# Altium PCB Copy of MotionW.PcbDoc (continued)
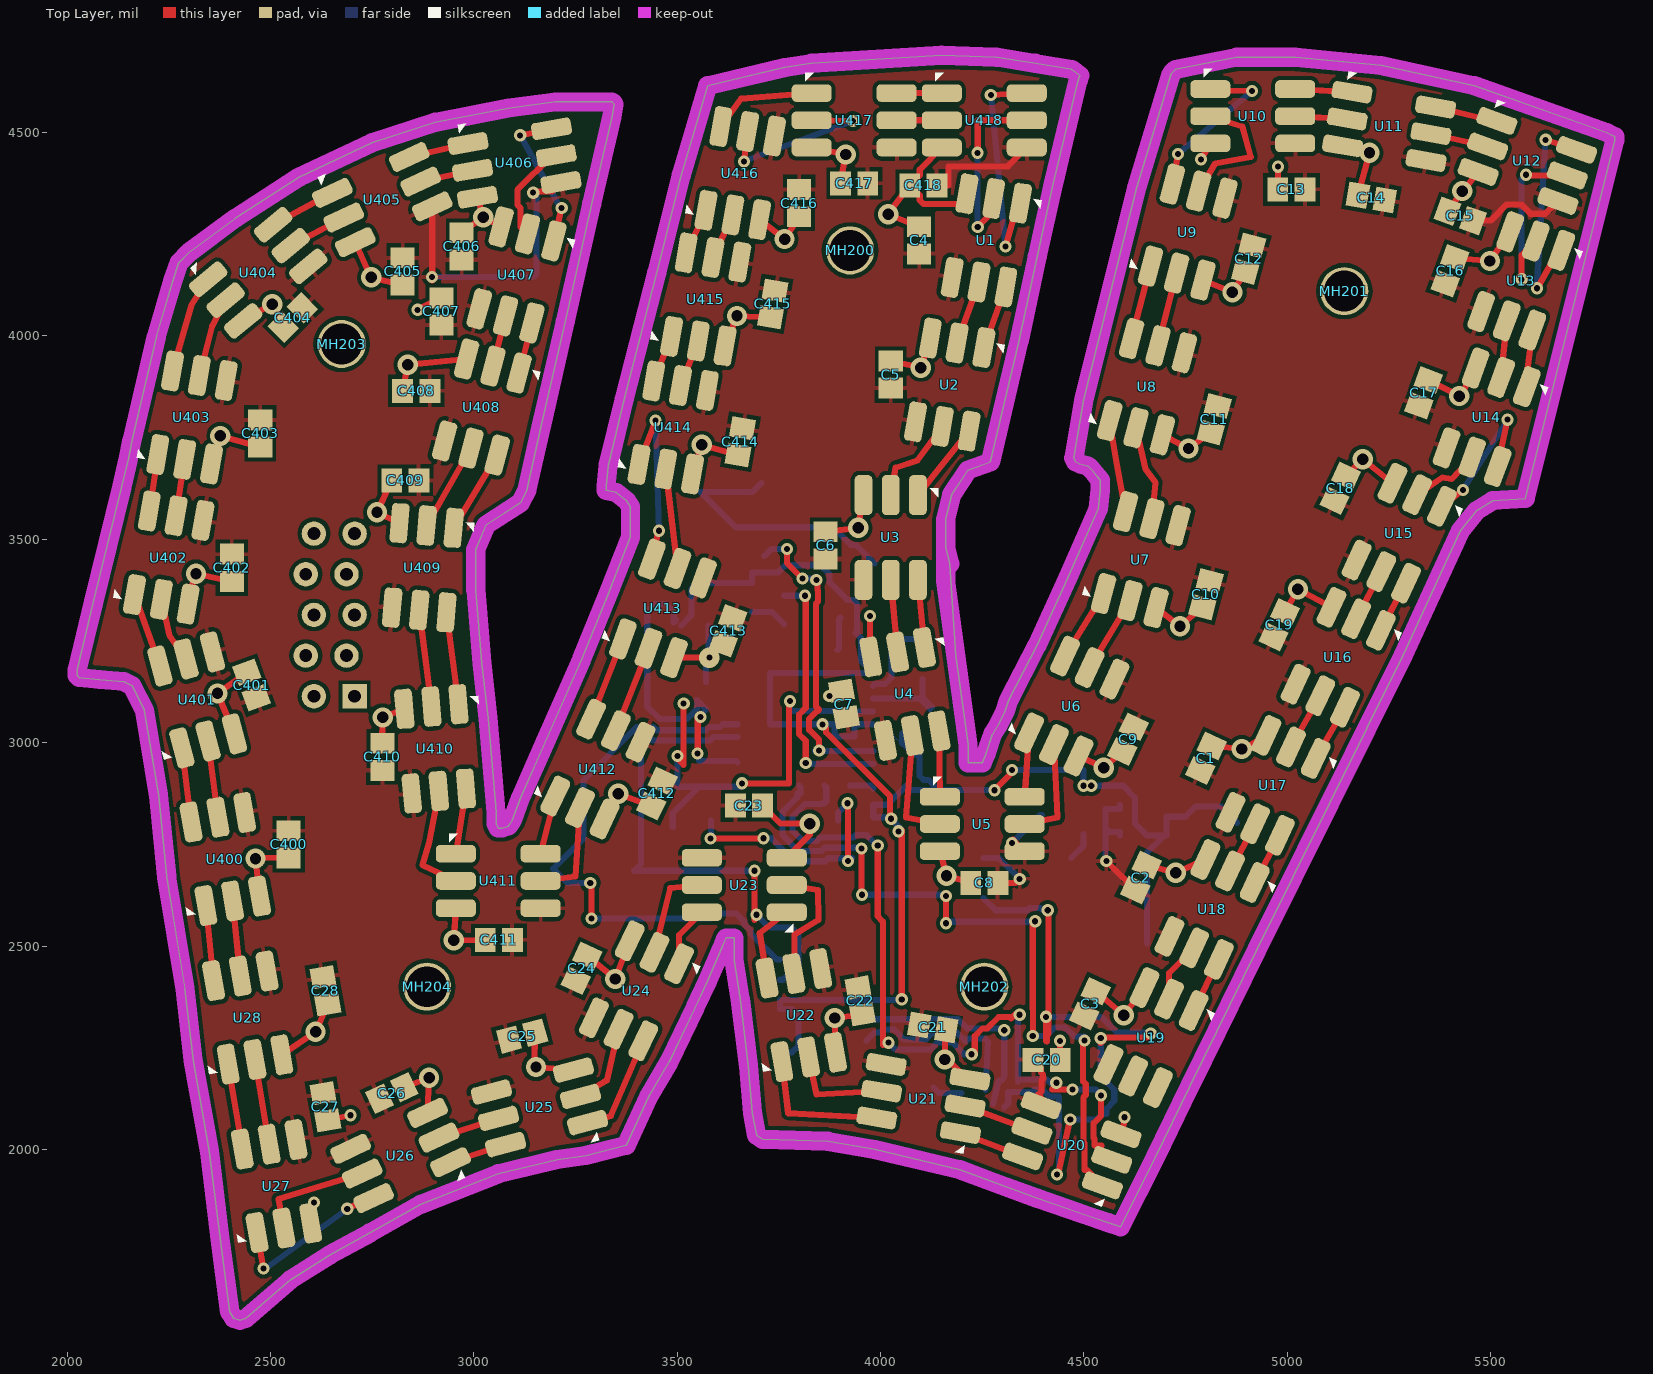
[diagram p0: Top Layer view]
## Part data (continued)
R700: "RES SMD 1K OHM 1% 1/8W 0805", Manufacturer="Panasonic Electronic Components", Manufacturer Part Number=ERJ-6ENF1001V, Operating Temperature="-55°C ~ 155°C", Package / Case="0805 (2012 Metric)", Power (Watts)="0.125W, 1/8W", Resistance (Ohms)=1k, Supplier Device Package=0805, Supplier Part Number=P1.00KCCT-ND, Temperature Coefficient=±100ppm/°C, Tolerance=±1%, Category=Resistors, Composition="Thick Film", Failure Rate=-, Features="Automotive AEC-Q200", Height - Seated (Max)="0.028\" (0.70mm)", Number of Terminations=2, Packaging="Cut Tape (CT)", Part Status=Active, RoHS="RoHS Compliant", Size / Dimension="0.079\" L x 0.049\" W (2.00mm x 1.25mm)", Supplier=Digi-Key
S800: "Switch", Actuator Color=Black, Contact Rating @ Voltage="0.3@6VDC A", Dielectric Strength="500 VAC", Manufacturer="ITT /  C&K Components", Manufacturer Part Number=JS202011SCQN, Maximum AC Voltage Rating=N/A, Maximum Contact Resistance="70 mOhm", Maximum DC Voltage Rating="6 V", Minimum Insulation Resistance="100 MOhm", Operating Temperature="-40 to 85 C", Supplier Part Number 1=401-2002-1-ND, Actuator Material="Nylon 4/6", Actuator Style="Top Slide", Base Material=N/A, Body Orientation=Straight, Code_IPC=SOT26A-6, Code_JEITA=SC-74, ComponentLink1Description=https://datasheet.ciiva.com/23829/1707718-23829488.pdf, ComponentLink1URL=https://datasheet.ciiva.com/23829/1707718-23829488.pdf, ComponentLink2Description=https://datasheet.ciiva.com/2889/js-29aug13-2889127.pdf, ComponentLink2URL=https://datasheet.ciiva.com/2889/js-29aug13-2889127.pdf, ComponentLink3Description=https://datasheet.ciiva.com/2889/js-15sept15-2889128.pdf, ComponentLink3URL=https://datasheet.ciiva.com/2889/js-15sept15-2889128.pdf, ComponentLink4Description=https://datasheet.ciiva.com/2889/js-15sept15-2889129.pdf, ComponentLink4URL=https://datasheet.ciiva.com/2889/js-15sept15-2889129.pdf, ComponentLink5Description=https://datasheet.ciiva.com/22630/1707718-22630697.pdf, ComponentLink5URL=https://datasheet.ciiva.com/22630/1707718-22630697.pdf, ComponentLink6Description=https://datasheet.ciiva.com/8625/js-9dec14-8625470.pdf, ComponentLink6URL=https://datasheet.ciiva.com/8625/js-9dec14-8625470.pdf, Contact Material="Copper Alloy", Contact Plating=Silver, COO=US, Dimension="9 x 7.5 x 5.5 mm", ECCN=EAR99, Electrical Life="15000 Cycles", Family=JS, Housing Material="Nylon 4/6", HTS=8536509050, LatestRevisionDate=29-May-2009, LatestRevisionNote="IPC-7351 Footprint Added.", Mechanical Life=N/A, Mounting="Surface Mount,Gull Wing", PackageDescription="6-Pin SOT-23 Package 0.95 mm Pitch, 2.7 mm Lead Span", PackageReference=SOT23-6, PackageVersion=Mar-2001, Packaging="Tape and Reel", Part No=JS202011SCQN, Pole Throw Configuration=DPDT, Pricing 1="1=0.46, 10=0.441, 25=0.4316, 50=0.3858, 100=0.3674, 250=0.3582, 500=0.3031 (USD)", Product Weight=N/A, Published=24-Mar-1999, Publisher="Altium Limited", RoHS=Yes, Seal Description=N/A, Seal Location=N/A, Stock 1=22661, Supplier 1="C&K Components", Supplier Standard Pack=5,000, Switch Configuration=N/A, Type=Sub-Miniature
TP200 TP201 TP700 TP_800 TP_801: "Test Point SMD 1206", Case Size=1206, Manufacturer="TE Connectivity (Tyco Electronics)", Manufacturer Part Number=1625854-1, Operating Temperature="-55 to 125 C", Power Rating=N/R, Resistance Value="0 Ohm", Supplier Part Number 1=A106143CT-ND, ComponentLink1Description=https://datasheet.ciiva.com/6439/eng-ds-1773266-a-6439169.pdf, ComponentLink1URL=https://datasheet.ciiva.com/6439/eng-ds-1773266-a-6439169.pdf, ComponentLink2Description=https://datasheet.ciiva.com/30136/1773266-a-30136341.pdf, ComponentLink2URL=https://datasheet.ciiva.com/30136/1773266-a-30136341.pdf, ComponentLink3Description=https://datasheet.ciiva.com/6439/eng-ds-1773266-a-6439080.pdf, ComponentLink3URL=https://datasheet.ciiva.com/6439/eng-ds-1773266-a-6439080.pdf, ComponentLink4Description=https://datasheet.ciiva.com/6439/eng-ds-1773266-a-6439081.pdf, ComponentLink4URL=https://datasheet.ciiva.com/6439/eng-ds-1773266-a-6439081.pdf, ComponentLink5Description=https://datasheet.ciiva.com/6439/eng-ds-1773266-a-6439083.pdf, ComponentLink5URL=https://datasheet.ciiva.com/6439/eng-ds-1773266-a-6439083.pdf, Dimension="3.2 x 1.6 x 1.25mm", Family=RC, Mounting="Surface Mount", Packaging="Tape and Reel", Part No=1625854-1, Pricing 1="1=0.28, 10=0.261, 25=0.224, 50=0.1902, 100=0.1828, 250=0.1641, 500=0.1567, 1000=0.1306 (USD)", RoHS=Yes, Stock 1=31937, Supplier 1=Digi-Key, Temperature Coefficient=N/R, Terminal Pitch=N/R, Termination Style=N/R, Tolerance=N/R
U1 U2 U3 U4 U5 U6 U7 U8 U9 U10 U11 U12 U13 U14 U15 U16 U17 U18 U19 U20 U21 U22 U23 U24 U25 U26 U27 U28 U400 U401 U402 U403 U404 U405 U406 U407 U408 U409 U410 U411 U412 U413 U414 U415 U416 U417 U418: "APA102C LED"
U200: Case/Package=SOT-23-5, Color=Black, Contact Resistance=100mR, Current Rating=50mA, Dropout Voltage=125mV, Manufacturer="Texas Instruments", Max Input Voltage=5.5V, Max Operating Temperature=125°C, Max Output Current=300mA, Max Voltage Rating (DC)=12V, Min Current Limit=360mA, Min Input Voltage=1.4V, Min Operating Temperature=-40°C, Operating Force=160gf, Output Voltage=3.3V, Package Quantity=3000, Quiescent Current=60uA, Supplier Part Number 1=CKN9112CT-ND, Accuracy=1%, Actuator Length=0.85mm, Actuator Material=Nylon,Polyamide, Actuator Type=Standard, ComponentLink1Description=http://www.ti.com/general/docs/lit/getliterature.tsp?genericPartNumber=TLV733P&&fileType=pdf, ComponentLink1URL=http://www.ti.com/general/docs/lit/getliterature.tsp?genericPartNumber=TLV733P&&fileType=pdf, ComponentLink2Description=https://www.verical.com/server-webapp/html/getDatasheet?partID=786341, ComponentLink2URL=https://www.verical.com/server-webapp/html/getDatasheet?partID=786341, ComponentLink3Description=https://www.ckswitches.com/media/1471/pts645.pdf, ComponentLink3URL=https://www.ckswitches.com/media/1471/pts645.pdf, ComponentLink4Description=https://www.verical.com/server-webapp/html/getDatasheet?partID=764615, ComponentLink4URL=https://www.verical.com/server-webapp/html/getDatasheet?partID=764615, Contact Material=Silver, Contact Plating=Gold, Depth=9mm, Illumination Type=Illuminated,Non-Illuminated, Lead Free="Lead Free", Length=6mm, Manufacturer Part Number=TLV73333PDBVR, Max Current Rating=50mA, Mechanical Life=100000Cycles, Mount="Surface Mount", Number of Outputs=1, Number of Pins=5, Number of Regulators=1, Orientation=Straight, Output Current=300mA, Output Type=Fixed, Packaging="Tape and Reel", Polarity=Positive, Pricing 1="1=0.16, 10=0.157, 25=0.1516, 50=0.1462, 100=0.1381, 250=0.12996, 500=0.12452 (USD)", Radiation Hardening=No, REACH SVHC="No SVHC", Stock 1=783192, Supplier 1=Digi-Key, Switch Function=Off-Mom, Termination="Gull Wing", Throw Configuration=SPST, Voltage Rating (DC)=12V, Weight=0.000557oz
U300 U301: "SWITCH TACTILE SPST-NO 0.05A 12V", Contact Rating @ Voltage="0.05A @ 12VDC", Current Rating=50mA, Illumination Type, Color=-, Manufacturer="C&K Components", Manufacturer Part Number="PTS645SH50SMTR92 LFS", Max Operating Temperature=85°C, Min Operating Temperature=-40°C, Operating Force=200gf, Operating Temperature="-20°C ~ 60°C", Package Quantity=7000, Supplier Part Number=CKN9085TR-ND, Supplier Part Number 1=CKN9085CT-ND, Voltage Rating (DC)=12V, Actuator Height off PCB, from Pins=5.00mm, Actuator Material="Polyamide (PA66), Nylon 6/6", Actuator Orientation="Top Actuated", Actuator Type=Standard, Category=Switches, Circuit=SPST-NO, ComponentLink1Description=http://www.mouser.com/ds/2/60/pts530_4mar13-305907.pdf, ComponentLink1URL=http://www.mouser.com/ds/2/60/pts530_4mar13-305907.pdf, ComponentLink2Description=http://www.ck-components.com/80182/pts530_4mar13.pdf/, ComponentLink2URL=http://www.ck-components.com/80182/pts530_4mar13.pdf/, Contact Plating=Silver, Features=-, Illumination=Non-Illuminated, Illumination Type=Non-Illuminated, Illumination Voltage (Nominal)=-, Ingress Protection=-, Mechanical Life="100,000 Cycles", Mount="Surface Mount", Mounting Type="Surface Mount", Outline="6.00mm x 6.00mm", Packaging="Tape & Reel (TR)", Pricing 2="1=0.24, 10=0.229, 50=0.213, 100=0.202, 1000=0.138, 10000=0.104 (USD)", RoHS="RoHS Compliant", Stock 2=36566, Supplier=Digi-Key, Supplier 1=Digi-Key, Supplier 2=Mouser, Switch Function=Off-Mom, Switch Travel=-, Termination="Gull Wing", Termination Style="Gull Wing", Throw Configuration=SPST
X300: library part CRYSTAL_NX3215SA-32.768K, "CRYSTAL 32.768KHZ 12.5PF SMD", ESR (Equivalent Series Resistance)="70 kOhm", Frequency=32.768kHz, Frequency Tolerance=±20ppm, Load Capacitance=12.5pF, Manufacturer="Nihon Dempa Kogyo (NDK)", Manufacturer Part Number=NX3215SA-32.768K-STD-MUA-8, Operating Mode=Fundamental, Operating Temperature="-40°C ~ 85°C", Package / Case=2-SMD, Standard Package=1, Supplier Part Number 1=644-1156-1-ND, Catalog Drawings="NX3215SA Series Top /  / NX3215SA Series Side /  / NX3215SA Series Bottom /  / NX3215SA Series Circuit", Category="Crystals and Oscillators", ComponentLink1Description=https://datasheet.ciiva.com/857/c-nx3215sa-std-mua-9-e-857050.pdf, ComponentLink1URL=https://datasheet.ciiva.com/857/c-nx3215sa-std-mua-9-e-857050.pdf, ComponentLink2Description=https://datasheet.ciiva.com/857/c-nx3215sa-std-mua-9-e-857051.pdf, ComponentLink2URL=https://datasheet.ciiva.com/857/c-nx3215sa-std-mua-9-e-857051.pdf, ComponentLink3Description=https://datasheet.ciiva.com/857/c-nx3215sa-std-mua-9-e-857052.pdf, ComponentLink3URL=https://datasheet.ciiva.com/857/c-nx3215sa-std-mua-9-e-857052.pdf, Dynamic Catalog="NX3215SA Series", Family=Crystals, Featured Product="NX3215SA Series 32.768KHz SMD Crystals", Height="0.035\" (0.90mm)", Mounting Type="Surface Mount", Other Names=644-1156-6, Packaging=Digi-Reel®, Pricing 1="1=0.94, 10=0.835, 50=0.7804, 100=0.6897, 500=0.6534, 1000=0.5445 (USD)", Series=NX3215SA, Size / Dimension="0.126\" L x 0.059\" W (3.20mm x 1.50mm)", Stock 1=45314, Supplier 1=Digikey, Type="kHz Crystal (Tuning Fork)"

## Via types
v1: diameter 30, hole 15, Top Layer to Bottom Layer, 83 vias
v2: diameter 50, hole 28, Top Layer to Bottom Layer, 40 vias
v3: diameter 50, hole 15, Top Layer to Bottom Layer, 1 vias

## Nets (pads, with @x,y where several pads share a name; then routed paths per layer and width w, separated by ;. In a path a pad name is that pad's centre, name@x,y a point inside that pad or via, vN(x,y) a via of type N, cw(c..) or ccw(c..) an arc to the next point about the centre after c; other vN are vias at no path point)
3.3V: 300.1 300.5 300.17 800.1 800.4 800.11 C201.1 C302.1 C303.1 C304.1 C800.2 C801.2 D300.2 R300.2 R302.2 TP201.1 U200.5 | length 5231.3
  Top Layer w15: v1(3550,2973) 3550.5,2973.5 3550.5,3063 v1(3557,3063) ; v1(3857,3045) 3865.79,3036.21 3865.79,3025.61 4023.49,2867.9 4023.49,2815.51 v1(4026,2813) ; v1(4044,2782) 4049.46,2782 4052,2784.54 v1(4052,2369) ; v1(4280,2883) 4323,2926 v1(4323,2933)
  Bottom Layer w0: C303.1@4029.16,3019.37 C303.1@4054,2994.54
  Bottom Layer w15: C304.1@3497.54,3301 3491.5,3294.96 3491.5,3321.46 3472.46,3340.5 3445.54,3340.5 3426.5,3321.46 3426.5,3088.56 3456.57,3058.48 3524.45,3058.48 3548.5,3082.54 3548.5,3105.04 C302.1 C302.1@3554.23,3065.77 ; C304.1 3534.91,3312.84 3534.91,3378.56 3548.78,3392.43 D300.2 3684,3418.44 3748.39,3418.44 3765.95,3436 3851.96,3436 3874.5,3413.46 3874.5,3394.31 3917.75,3351.06 3931.89,3351.06 3941.56,3341.39 3941.56,3272.61 3938.94,3269.99 3952.56,3256.37 3952.56,3200.01 300.1 3728,3171.24 3728,3045.25 3886.3,3045.25 3886.3,3015.43 3936.3,3015.43 3936.3,3045.25 300.5 ; R300.2 3554,2954.93 3644.49,2954.93 300.17 ; 800.1 3752.4,2238.69 3781.84,2238.69 3798.43,2255.27 3798.43,2328.73 3781.84,2345.31 3752.4,2345.31 800.4 800.11 4050,2367 v1(4052,2369) ; R302.2@4009.43,2816.57 R302.2 3982,2847.31 4016.39,2847.31 4063,2893.92 4073.38,2883.54 C800.2 ; v1(4026,2813) 4044,2795 v1(4044,2782) ; C303.1 C303.1@4053,2998.54 ; C303.1@4053,3022.37 C303.1@4053,2998.54 ; v1(4280,2883) 4279.46,2883.54 C800.2 ; v1(4323,2933) 4499,2933 v1(4499,2894) ; v1(4518,2894) 4596.1,2894 4625.05,2865.05 4625.05,2801.58 4655.03,2771.6 U200.5 ; C801.2 4654.8,2729.27 U200.5 ; TP201.1 4836.66,2842.6 C201.1 4749.3,2817.76 4703.13,2817.76 4703.13,2771.6 U200.5 ; C303.1@4053,2998.54 4054,2998.54 4081,2971.54 4095.97,2971.54 4095.97,2918.04 4105.64,2908.37 4117.16,2908.37 C800.2
5.0V: C1.2 C2.2 C3.2 C4.2 C5.2 C6.2 C7.2 C8.2 C9.2 C10.2 C11.2 C12.2 C13.2 C14.2 C15.2 C16.2 C17.2 C18.2 C19.2 C20.2 C21.2 C22.2 C23.2 C24.2 C25.2 C26.2 C27.2 C28.2 C200.1 C400.2 C401.2 C402.2 C403.2 C404.2 C405.2 C406.2 C407.2 C408.2 C409.2 C410.2 C411.2 C412.2 C413.2 C414.2 C415.2 C416.2 C417.2 C418.2 S800.1 S800.4 TP200.1 U1.4 U2.4 U3.4 U4.4 U5.4 U6.4 U7.4 U8.4 U9.4 U10.4 U11.4 U12.4 U13.4 U14.4 U15.4 U16.4 U17.4 U18.4 U19.4 U20.4 U21.4 U22.4 U23.4 U24.4 U25.4 U26.4 U27.4 U28.4 U200.1 U200.3 U400.4 U401.4 U402.4 U403.4 U404.4 U405.4 U406.4 U407.4 U408.4 U409.4 U410.4 U411.4 U412.4 U413.4 U414.4 U415.4 U416.4 U417.4 U418.4 | length 2119.3
  Top Layer w15: v1(2897,4145) 2897,4137.24 2897.84,4136.4 U405.4 ; v1(3146,4352) 3148.83,4354.83 3192,4354.83 U406.4 ; C418.2 4167.34,4370 4167.34,4416.59 4312.85,4416.59 U418.4 ; C8.2 4332,2655 v1(4342,2665) ; v1(4323,2753) 4323,2759.29 4325.56,2761.85 U5.4 ; C20.2 4394.85,2200.15 4394.85,2188.62 4399.5,2183.98 4399.5,2173.46 4396,2169.96 4396,2143.04 4387.5,2134.54 4394.85,2127.19 U20.4 ; v1(4555,2709) C2.2 ; C15.2 5499.69,4283.55 5539.25,4323.11 5575.18,4323.11 5598.08,4300.22 5633.95,4300.22 U12.4
  Bottom Layer w15: v1(2897,4145) 3147,4145 3154,4152 3154,4352.65 3153.35,4352 v1(3146,4352) ; S800.4 4290.57,2716.43 v1(4342,2665) ; v1(4323,2753) 4392.6,2822.6 TP200.1 ; S800.1 4499.12,2746.28 C200.1 ; v1(4555,2709) 4552.68,2711.32 4552.68,2790.35 ; U200.1 4588.87,2780.69 4562.35,2780.69 4552.68,2790.35 ; U200.3 4588.87,2837.31 4552.68,2837.31 4552.68,2790.35
"5.0V USB": J800.1 S800.2 S800.5 | length 1811.4
  Top Layer w15: v1(4407,2326) 4407,2266.52 4408.5,2265.02 4408.5,2280.46 4412.5,2284.46 4412.5,2586.5 v1(4411,2588) ; v1(4434,1938) 4435.2,1930.97 4436.61,1937.43 v1(4466.25,2073.78) ; v1(4541.3,2273.52) 4541.3,2261.5 4555.41,2275.61 4654.61,2275.61 v1(4664,2285)
  Bottom Layer w15: S800.5 4282.73,2588 4361.04,2588 4366.54,2593.5 4393.46,2593.5 4398.96,2588 v1(4411,2588) ; J800.1@4303.06,2102.71 4313.82,2113.47 4313.82,2141.23 4376.89,2141.23 4376.89,2146.75 4398.98,2146.75 4415.2,2130.54 4439,2130.54 4439,1943 v1(4434,1938) ; v1(4407,2326) 4407,2325.92 4541.97,2325.92 4580.4,2287.5 4661.5,2287.5 v1(4664,2285) ; v1(4466.25,2073.78) 4530.78,2073.78 4544.54,2087.54 4555.46,2087.54 4555.46,2100.5 4574.5,2119.54 4574.5,2146.46 4541.3,2179.66 v1(4541.3,2273.52)
BOOT0: 300.31 R301.2 | length 82.8
  Bottom Layer w15: 300.31 3897.91,3231.51 3897.91,3303.48 R301.2
BUZZER: 300.7 R700.1 | length 793.6
  Top Layer w15: v1(3770,3476) 3770,3441.4 v1(3807.9,3403.5) ; v1(3842,3400) 3843,3400 3845,3402 3845,3375.96 3846.5,3374.46 3846.5,3347.54 3841.5,3342.54 3841.5,3088.54 3849,3081.04 3845.46,3077.5 3843.54,3077.5 3824.5,3058.46 3824.5,3031.54 3849,3007.04 v1(3849,2981)
  Bottom Layer w15: R700.1 3731.43,3476 v1(3770,3476) ; v1(3807.9,3403.5) 3838.5,3403.5 v1(3842,3400) ; v1(3849,2981) 3840.06,2981 3838.53,2979.47 300.7@3982,2979.47
BUZZER_R: D700.1 PZ700.1 R700.2 TP700.1 | length 658.5
  Bottom Layer w15: D700.1 3685,3616 3557.56,3616 3644.13,3529.43 R700.2 3883.46,3529.43 3927.4,3485.5 3940.5,3485.5 TP700.1
CO1: U400.5 U401.2 | length 189.1
  Top Layer w15: U401.2 U400.5
CO2: U401.5 U402.2 | length 161.9
  Top Layer w15: U402.2 2252,3263 U401.5
CO3: U402.5 U403.2 | length 140.4
  Top Layer w15: U402.5 U403.2
CO4: U403.5 U404.2 | length 197.9
  Top Layer w15: U403.5 2357,4024 U404.2
CO5: U404.5 U405.2 | length 147.6
  Top Layer w15: U404.5 U405.2
CO6: U405.5 U406.2 | length 130.7
  Top Layer w15: U405.5 U406.2
CO7: U406.5 U407.2 | length 249.1
  Top Layer w15: U407.2 3115.26,4267.52 3115.26,4314.2 3107.04,4322.43 3107.04,4359 3191.15,4443.12 U406.5
CO8: U407.5 U408.2 | length 127.3
  Top Layer w15: U408.2 U407.5
CO9: U408.5 U409.2 | length 219.3
  Top Layer w15: U409.2 U408.5
CO10: U409.5 U410.2 | length 239
  Top Layer w15: U409.5 U410.2
CO11: U410.5 U411.2 | length 277.1
  Top Layer w15: U410.5 2890,2753 2874,2699 U411.2
CO13: U411.5 U412.2 | length 256.2
  Top Layer w15: U411.5 3250,2671 U412.2
CO14: U412.5 U413.2 | length 217.7
  Top Layer w15: U412.5 U413.2
CO15: U413.5 U414.2 | length 245.9
  Top Layer w15: U414.2 U413.5
CO16: U414.5 U415.2 | length 117.9
  Top Layer w15: U414.5 U415.2
CO17: U415.5 U416.2 | length 115.3
  Top Layer w15: U415.5 U416.2
CO18: U416.5 U417.2 | length 461.4
  Top Layer w15: v1(3664,4429) U416.5 ; U417.2 v1(3932,4528)
  Bottom Layer w15: v1(3664,4429) v1(3932,4528)
CO19: U417.5 U418.2 | length 111.3
  Top Layer w15: U417.5 U418.2
CO20: U1.2 U418.5 | length 483.9
  Top Layer w15: v1(4238,4450) 4238,4443.59 4239,4442.59 4239,4530 U418.5 ; v1(4239,4268) 4278.12,4307.12 U1.2
  Bottom Layer w15: v1(4238,4450) 4238,4269 v1(4239,4268)
CO21: U1.5 U2.2 | length 158.9
  Top Layer w15: U2.2 U1.5
CO22: U2.5 U3.2 | length 228.5
  Top Layer w15: U3.2 4037,3676 4091,3694 U2.5
CO23: U3.5 U4.2 | length 178.1
  Top Layer w15: U3.5 U4.2
CO24: U4.5 U5.2 | length 286
  Top Layer w15: U4.5 4063,2816 U5.2
CO26: U5.5 U6.2 | length 261.9
  Top Layer w15: U5.5 4435,2816 U6.2
CO27: U6.5 U7.2 | length 192.1
  Top Layer w15: U6.5 U7.2
CO28: U7.5 U8.2 | length 234.9
  Top Layer w15: U8.2 4651,3673 4676,3640 U7.5
CO29: U8.5 U9.2 | length 184.3
  Top Layer w15: U8.5 U9.2
CO30: U9.5 U10.2 | length 328.2
  Top Layer w15: U9.5 4823,4424 4910,4440 4890,4514 U10.2
CO31: U10.5 U11.2 | length 128.1
  Top Layer w15: U10.5 U11.2
CO32: U11.5 U12.2 | length 142.7
  Top Layer w15: U11.5 U12.2
CO33: U12.5 U13.2 | length 471.7
  Top Layer w15: v1(5576,4139) 5576,4198.36 U13.2 ; v1(5587,4396) 5588.68,4394.32 U12.5
  Bottom Layer w15: v1(5576,4139) 5576,4385 v1(5587,4396)
CO34: U13.5 U14.2 | length 139.6
  Top Layer w15: U14.2 U13.5
CO35: U14.5 U15.2 | length 172.2
  Top Layer w15: U15.2 5381,3652 5404,3648 U14.5
CO36: U15.5 U16.2 | length 131.3
  Top Layer w15: U16.2 U15.5
CO37: U16.5 U17.2 | length 144.9
  Top Layer w15: U17.2 U16.5
CO38: U17.5 U18.2 | length 131.3
  Top Layer w15: U18.2 U17.5
CO39: U18.5 U19.2 | length 151.5
  Top Layer w15: U19.2 4709.09,2433.63 U18.5
CO40: U19.5
CO41: U20.5 U21.2 | length 175.2
  Top Layer w15: U21.2 U20.5
CO42: U21.5 U22.2 | length 254.6
  Top Layer w15: U22.2 3842,2135 U21.5
CO43: U22.5 U23.2 | length 316
  Top Layer w15: U23.2 3846,2638 3847,2564 3788,2528 U22.5
CO44: U23.5 U24.2 | length 241.1
  Top Layer w15: U24.2 3483,2643 U23.5
CO46: U24.5 U25.2 | length 204.6
  Top Layer w15: U25.2 3327,2170 U24.5
CO47: U25.5 U26.2 | length 153.7
  Top Layer w15: U26.2 U25.5
CO48: U26.5 U27.2 | length 286.8
  Top Layer w15: U27.2 2520,1878 U26.5
CO49: U27.5 U28.2 | length 211.3
  Top Layer w15: U28.2 U27.5
CO50: U28.5 U400.2 | length 185.5
  Top Layer w15: U400.2 U28.5
DO1: U400.6 U401.1 | length 183.3
  Top Layer w15: U401.1 U400.6
DO2: U401.6 U402.1 | length 186.2
  Top Layer w15: U402.1 U401.6
DO3: U402.6 U403.1 | length 140.5
  Top Layer w15: U402.6 U403.1
DO4: U403.6 U404.1 | length 244.2
  Top Layer w15: U403.6 2306,4076 U404.1
DO5: U404.6 U405.1 | length 165
  Top Layer w15: U404.6 U405.1
DO6: U405.6 U406.1 | length 148.1
  Top Layer w15: U405.6 U406.1
DO7: U406.6 U407.1 | length 369.8
  Top Layer w15: v1(3114,4493) U406.6 ; U407.1 v1(3216,4314)
  Bottom Layer w15: v1(3114,4493) 3214,4313 v1(3216,4314)
DO8: U407.6 U408.1 | length 127.3
  Top Layer w15: U408.1 U407.6
DO9: U408.6 U409.1 | length 208.3
  Top Layer w15: U409.1 U408.6
DO10: U409.6 U410.1 | length 227.5
  Top Layer w15: U409.6 U410.1
DO11: U410.6 U411.1 | length 161.9
  Top Layer w15: U411.1 U410.6
DO13: U411.6 U412.1 | length 146.3
  Top Layer w15: U411.6 U412.1
DO14: U412.6 U413.1 | length 211.9
  Top Layer w15: U412.6 U413.1
DO15: U413.6 U414.1 | length 459.7
  Top Layer w15: U414.1 v1(3447,3792) ; U413.6 3454,3521 v1(3455,3521)
  Bottom Layer w15: v1(3447,3792) v1(3455,3521)
DO16: U414.6 U415.1 | length 117.9
  Top Layer w15: U414.6 U415.1
DO17: U415.6 U416.1 | length 115.3
  Top Layer w15: U415.6 U416.1
DO18: U416.6 U417.1 | length 259
  Top Layer w15: U416.6 3657,4583 U417.1
DO19: U417.6 U418.1 | length 111.3
  Top Layer w15: U417.6 U418.1
DO20: U1.1 U418.6 | length 577.8
  Top Layer w15: v1(4271,4592) U418.6 ; v1(4307,4220) 4338.14,4327.82 U1.1@4339.08,4331.07
  Bottom Layer w15: v1(4271,4592) v1(4307,4220)
DO21: U1.6 U2.1 | length 158.9
  Top Layer w15: U2.1 U1.6
DO22: U2.6 U3.1 | length 201.2
  Top Layer w15: U3.1 U2.6
DO23: U3.6 U4.1 | length 166.4
  Top Layer w15: U3.6 U4.1
DO24: U4.6 U5.1 | length 162
  Top Layer w15: U4.6 U5.1
DO26: U5.6 U6.1 | length 157.2
  Top Layer w15: U5.6 U6.1
DO27: U6.6 U7.1 | length 180.6
  Top Layer w15: U6.6 U7.1
DO28: U7.6 U8.1 | length 226.8
  Top Layer w15: U8.1 4578.8,3695.8 U7.6
DO29: U8.6 U9.1 | length 184.3
  Top Layer w15: U8.6 U9.1
DO30: U9.6 U10.1 | length 416.5
  Top Layer w15: U9.6 v1(4731,4447) ; U10.1@4810.67,4602.83 v1(4913,4602)
  Bottom Layer w15: v1(4731,4447) v1(4913,4602)
DO31: U10.6 U11.1 | length 139.8
  Top Layer w15: U10.6 U11.1
DO32: U11.6 U12.1 | length 154.9
  Top Layer w15: U11.6 5514.31,4526.34 U12.1@5514.85,4526.21
DO33: U12.6 U13.1 | length 563.7
  Top Layer w15: v1(5614,4117) 5668.52,4213.02 U13.1@5669.31,4214.42 ; v1(5635,4482) U12.6
  Bottom Layer w15: v1(5614,4117) 5613,4114 5613.18,4117.05 v1(5635,4482)
DO34: U13.6 U14.1 | length 136.4
  Top Layer w15: U14.1@5584.93,3878.79 U13.6
DO35: U14.6 U15.1 | length 387.5
  Top Layer w15: U15.1 v1(5431.7,3621.3) ; U14.6 v1(5541,3794)
  Bottom Layer w15: v1(5431.7,3621.3) 5541,3793 v1(5541,3794)
DO36: U15.6 U16.1 | length 131.3
  Top Layer w15: U16.1 U15.6
DO37: U16.6 U17.1 | length 144.9
  Top Layer w15: U17.1 U16.6
DO38: U17.6 U18.1 | length 131.3
  Top Layer w15: U18.1 U17.6
DO39: U18.6 U19.1 | length 140.2
  Top Layer w15: U19.1 U18.6
DO40: U19.6
DO41: U20.6 U21.1 | length 163.6
  Top Layer w15: U21.1 U20.6
DO42: U21.6 U22.1 | length 345.6
  Top Layer w15: U22.1 3773,2089 U21.6
DO43: U22.6 U23.1 | length 196
  Top Layer w15: U22.6 3703,2532 U23.1
DO44: U23.6 U24.1 | length 150
  Top Layer w15: U24.1 3504.75,2527.15 U23.6
DO46: U24.6 U25.1 | length 260.9
  Top Layer w15: U25.1 3337.03,2082.44 U24.6
DO47: U25.6 U26.1 | length 142
  Top Layer w15: U26.1 U25.6
DO48: U26.6 U27.1 | length 415.5
  Top Layer w15: U27.1 v1(2483,1707) ; v1(2689,1854) 2692,1857 U26.6
  Bottom Layer w15: v1(2483,1707) 2484.81,1705.19 v1(2689,1854)
DO49: U27.6 U28.1 | length 211.3
  Top Layer w15: U28.1 U27.6
DO50: U28.6 U400.1 | length 185.5
  Top Layer w15: U400.1 U28.6
GND: 300.16 300.32 800.14 C1.1 C2.1 C3.1 C4.1 C5.1 C6.1 C7.1 C8.1 C9.1 C10.1 C11.1 C12.1 C13.1 C14.1 C15.1 C16.1 C17.1 C18.1 C19.1 C20.1 C21.1 C22.1 C23.1 C24.1 C25.1 C26.1 C27.1 C28.1 C200.2 C201.2 C300.1 C301.1 C302.2 C303.2 C304.2 C400.1 C401.1 C402.1 C403.1 C404.1 C405.1 C406.1 C407.1 C408.1 C409.1 C410.1 C411.1 C412.1 C413.1 C414.1 C415.1 C416.1 C417.1 C418.1 C800.1 C801.1 D700.2 J800.5 J800.SH1 J800.SH2 J800.SH3 J800.SH4 J800.SH5 J800.SH6 PZ700.2 R301.1 U1.3 U2.3 U3.3 U4.3 U5.3 U6.3 U7.3 U8.3 U9.3 U10.3 U11.3 U12.3 U13.3 U14.3 U15.3 U16.3 U17.3 U18.3 U19.3 U20.3 U21.3 U22.3 U23.3 U24.3 U25.3 U26.3 U27.3 U28.3 U200.2 U300.1 U300.2 U301.1 U301.2 U400.3 U401.3 U402.3 U403.3 U404.3 U405.3 U406.3 U407.3 U408.3 U409.3 U410.3 U411.3 U412.3 U413.3 U414.3 U415.3 U416.3 U417.3 U418.3 | length 7644.1
  Top Layer w15: U402.3 2314,3416 C402.1 ; U403.3 v2(2377,3754) C403.1 ; U401.3 v2(2370,3121) C401.1 ; U404.3 2504,4079 C404.1 ; U400.3 2463,2718 C400.1 ; U28.3 v2(2611,2289) C28.1 ; U27.3 2602.53,1869.44 v1@2603.04,1869.44 ; C27.1 v1(2697,2084) ; U405.3 2747,4144 C405.1 ; C410.1 v2(2776,3062) U410.3 ; C409.1 v2(2762,3566) U409.3 ; C408.1 v2(2838,3929) U408.3 ; C26.1 v2(2890,2176) U26.3 ; v1(2862,4064) 2859,4064 2861.43,4065.17 C407.1 ; U411.3 v2(2951,2514) C411.1 ; C406.1 v2(3023,4292) ; U406.3 v2(3023,4292) ; U407.3 v2(3023,4292) ; C25.1 3148,2203 U25.3 ; C24.1 v2(3348,2419) U24.3 ; U412.3 v2(3355,2874) C412.1 ; U413.3 v3(3579.07,3209.07) C413.1 ; U414.3 v2(3560,3732) C414.1 ; U415.3 v2(3647,4049) C415.1 ; U416.3 v2(3764,4238) C416.1 ; C23.1 3754,2801 v2(3826,2801) 3826,2773.6 U23.3 ; U417.3 v2(3914,4446) C417.1 ; C6.1 v2(3945,3528) U3.3 ; v1(3874,3115) 3891.23,3115 C7.1 ; U22.3 v2(3887,2323) C22.1 ; v1(3974.06,3311.06) 3974.06,3213.04 U4.3 ; C5.1 v2(4099,3922) U2.3 ; C4.1 4018,4299 4018.17,4299.23 C418.1 ; U5.3 v2(4162,2673) C8.1 ; U418.3 4096.37,4408.78 4096.37,4394.84 C418.1 ; C21.1 4158,2290.77 v2(4158,2221) 4165,2221 4213.2,2172.8 U21.3 ; U1.3 4212.2,4323.97 4106.04,4323.97 4096.37,4333.64 4096.37,4345.16 C418.1 ; v1(4441,2267) C20.1 ; U6.3 v2(4549,2938) C9.1 ; C3.1 v2(4598,2330) U19.3 ; U20.3 4602,2078 v1(4600,2079) ; C2.1 v2(4726,2680) U18.3 ; U7.3 v2(4736,3286) C10.1 ; U8.3 v2(4757,3723) C11.1 ; v1(4788,4434) U10.3 ; U9.3 v2(4865,4107) C12.1 ; C1.1 4893,2984 U17.3 ; C13.1 v1(4977,4416) ; C19.1 v2(5026,3377) U16.3 ; U11.3 v2(5202,4450) C14.1 ; C18.1 v2(5185,3697) U15.3 ; C17.1 5425,3851 U14.3 ; C15.1 U12.3 ; C16.1 v2(5498,4184) U13.3
  Bottom Layer w15: C302.2 3571,3205.14 3577,3211.14 C304.2 ; J800.SH2@4129.69,2152.3 4143.28,2138.72 J800.5@4199.41,2138.72
  other v1: 2607,1869.44
  other v2: 3153,2202.59 2463.32,2715 4888,2984.5 2317,3415.36 5423,3852.03 2504.47,4078 2748,4143.76 4019,4298.6 5430,4356
MCU_RX: 300.20 800.6 TP_801.1 | length 1407.9
  Top Layer w15: v1(3286.32,2655.06) 3289,2652.38 v1(3289,2568)
  Bottom Layer w15: v1(3286.32,2655.06) 3229.94,2655.06 TP_801.1 3269.74,2764.74 3269.74,2907.61 3400.89,3038.76 3440.95,3038.76 3449.2,3030.5 3570.46,3030.5 3578.46,3038.5 3605.42,3038.5 3612.17,3045.25 300.20 ; v1(3289,2568) 3583.41,2568 3595.22,2579.82 3644.78,2579.82 3664.77,2559.82 3664.77,2553.39 3681.12,2537.03 3681.12,2530.53 3744.65,2467 800.6
MCU_TX: 300.19 800.5 TP_800.1 | length 1270.4
  Top Layer w15: v1@3690,2564 v1@3690,2572 ; v1(3690,2685) v1@3690,2572 ; v1(3695,2577) v1@3690,2572
  Bottom Layer w15: 300.19 3648.41,3013.5 3588.82,3013.5 3580.82,3005.5 3438.85,3005.5 3430.59,3013.76 3411.24,3013.76 3411.24,2702.24 TP_800.1 v1(3690,2685) ; v1@3689.77,2571.77 v1(3695,2577) 3726.69,2545.31 3781.84,2545.31 3798.43,2528.73 3798.43,2455.27 3760.16,2417 800.5
Net800_12: 800.12 J800.2 | length 542.5
  Bottom Layer w15: 800.12 3967.89,2319.89 4190.15,2319.89 4212.54,2297.5 4297.46,2297.5 4297.96,2298 4302.96,2293 v1(4304,2293) 4304,2182.15 cw(c4289.85,2182.15) 4289.85,2168 J800.2
Net800_13: 800.13 J800.3 | length 461.6
  Bottom Layer w15: 800.13 3985.5,2287.5 3998.67,2287.5 4006.07,2294.89 4032.99,2294.89 4057.35,2270.53 4111.91,2270.53 4129.88,2288.5 4186.19,2288.5 4207.69,2267 4211.04,2267 4216.54,2272.5 4256.5,2272.5 4264,2265 4258.12,2145.89
NRST: 300.4 R300.1 U300.3 U300.4 | length 1104.6
  Top Layer w15: v1(3501,2967) 3501,2960.02 3516,2945.02 v1(3516,3096) v1@3523.97,3096 ; v1(3659,2900) 3774.5,2900 3774.5,3093.82 3777,3093.82 v1(3777,3102)
  Bottom Layer w15: U300.4 3489,2826.57 R300.1 ; v1(3501,2967) 3501,2891.57 R300.1 ; v1(3659,2900) 3659,2891.57 R300.1 ; v1(3777,3102) 3777,3077.5 3911.3,3077.5 3911.3,3076.75 300.4
OSC_IN: 300.2 C301.2 X300.1 | length 225.3
  Bottom Layer w15: 300.2 3985.51,3143.91 4010.37,3143.91 4026.38,3159.92 4026.38,3255.21 X300.1
OSC_OUT: 300.3 C300.2 X300.2 | length 229.1
  Bottom Layer w15: 300.3 4096.97,3108.24 C300.2@4121.87,3083.34 ; X300.2 4103,3111.07 C300.2@4126,3088.07
PA2: 300.8 R303.1 | length 647.7
  Top Layer w15: v1(3814,3361) 3816,3359 3816,3085.32 3799.5,3068.82 3799.5,3021.18 3816,3004.68 v1(3816,2950)
  Bottom Layer w15: R303.1 3763.87,3361 v1(3814,3361) ; v1(3816,2950) 3814.02,2947.98 300.8@3982,2947.98
PA2_R: D300.1 R303.2 | length 91.7
  Bottom Layer w15: D300.1 3732.43,3321.57 R303.2
PA3: 300.9 R302.1 U301.3 U301.4 | length 703
  Top Layer w15: v1(3582,2764) 3711,2764 v1(3712,2765) ; v1(3919,2851) 3920,2852 v1(3920,2709)
  Bottom Layer w15: v1(3582,2764) 3582,2758 3583,2757 U301.3 ; v1(3712,2765) 3731.19,2765 3787.69,2708.5 3864.31,2708.5 3871.73,2715.91 3930.09,2715.91 3923.17,2709 v1(3920,2709) ; U301.4 3895.99,2827.99 v1(3919,2851) ; 300.9 3974.77,2894.66 R302.1
SPI1_CLK: 300.11 U20.2 | length 1903.6
  Top Layer w15: v1(3993,2747) 3993,2575 3992,2574 4005.83,2560.17 4005.83,2257.17 4011.06,2262.39 v1(4019.53,2262.39) ; v1(4224,2234) 4226,2234 4231.5,2239.5 4231.5,2278.46 4250.54,2297.5 4262.54,2297.5 4290.54,2325.5 4317.46,2325.5 4320.96,2322 4329.96,2331 v1(4342,2331) ; v1(4432,2164) 4432,2158 4421,2147 v1(4472,2147) ; v1(4542,2133) 4542,2082.86 4523.75,2064.6 4523.75,2028.67 4525.85,2026.56 4525.85,2009.82 4543,2009.82 4543.41,2009.41 4543.41,2008
  Bottom Layer w15: 300.11 3866.41,2890.49 3866.41,2855.2 3862.31,2851.09 3858.65,2851.09 3857.06,2849.5 3814.4,2849.5 3783.5,2818.6 3783.5,2783.4 3808.4,2758.5 3843.6,2758.5 3852.01,2766.91 3933.34,2766.91 3938.93,2772.5 3966.46,2772.5 3991.96,2747 v1(3993,2747) ; v1(4019.53,2262.39) 4036.39,2245.53 4122.27,2245.53 4140.24,2263.5 4175.83,2263.5 4205.33,2234 v1(4224,2234) ; 4337.5,2167.5 4337.5,2171.75 ; v1(4342,2331) 4337.5,2326.5 4337.5,2171.75 ; v1(4432,2164) 4425.09,2164 4421.09,2160 4409.34,2171.75 4337.5,2171.75 ; v1(4472,2147) 4529,2147 4542,2134 v1(4542,2133)
SPI1_MOSI: 300.13 U20.1 | length 1804.6
  Top Layer w15: v1(3953,2740) 3953,2627 v1(3954,2626) ; v1(4161,2556) v1(4161,2623) ; v1(4374,2279) 4374.5,2279.5 4374.5,2344.46 4374,2344.96 4374,2555 4376,2557 v1(4380,2561) ; v1(4501.3,2267.46) 4497.78,2263.94 4497.78,2167.18 4504.5,2160.46 4504.5,2133.54 4498.75,2127.78 4498.75,2125.5 4498.75,2074.96 4498.75,2018.31 4500.85,2016.2 4500.85,1949.57 4507,1949.57 U20.1
  Bottom Layer w15: 300.13 3803.42,2890.49 3803.42,2874.5 3795.08,2874.5 3795.08,2865.63 3758.5,2829.04 3758.5,2773.04 3798.04,2733.5 3853.96,2733.5 3861.96,2741.5 3951.5,2741.5 v1(3953,2740) ; v1(3954,2626) 4159,2626 4161,2624 v1(4161,2623) ; v1(4161,2556) 4164.7,2559.7 4378.7,2559.7 v1(4380,2561) ; v1(4374,2279) 4405.04,2279 4406.04,2278 4427.54,2299.5 4454.46,2299.5 4475.96,2278 4501,2278 4507,2272 4502.46,2267.46 v1(4501.3,2267.46)
SWCLK: 300.24
SWDIO: 300.23
pads on no net: 300.6 300.10 300.12 300.14 300.15 300.18 300.21 300.22 300.25 300.26 300.27 300.28 300.29 300.30 301.1 301.2 301.3 301.4 301.5 301.6 301.7 301.8 301.9 301.10 800.2 800.3 800.7 800.8 800.9 800.10 J800.4 MH200.1 MH201.1 MH202.1 MH203.1 MH204.1 S800.3 S800.6 U200.4

## Polygon pours and split planes (outlines as drawn)
GND on Bottom Layer "Bottom Layer-GND" (solid, remove dead copper, pour order 20): 2000,4700 2000,1500 5900,1500 5900,4700
5.0V on Top Layer "Top Layer-5.0V" (solid, remove dead copper, pour order 18): 2000,4700 2000,1500 5900,1500 5900,4700

## Keep-outs
Keep-Out Layer:
  lines w47.24: 4160,3480 4170,3440 ; 2025,3165 2030,3160 2080,3155 2140,3150 2160,3140 2190,3080 2225,2870 2245,2670 2290,2395 2310,2220 2350,1995 2375,1790 2400,1600 2410,1585 2425,1580 2440,1585 2550,1680 2645,1740 2745,1795 2870,1865 3060,1940 3205,1975 3275,1985 3375,2010 3430,2130 3480,2215 3545,2350 3575,2415 3610,2495 3620,2520 3640,2520 3640,2465 3655,2370 3675,2205 3685,2090 3695,2035 3710,2025 3870,2020 3985,2000 4195,1950 4275,1920 4385,1880 4500,1840 4560,1820 4590,1810 4675,1980 4760,2155 4925,2490 5285,3215 5425,3520 5465,3570 5505,3595 5585,3600 5805,4480 5805,4490 5785,4500 5460,4615 5230,4665 5020,4685 4875,4685 4725,4655 4715,4645 4630,4365 4500,3845 4475,3700 4480,3690 4490,3685 4510,3680 4520,3670 4540,3645 4540,3620 4535,3575 4460,3405 4385,3240 4315,3105 4305,3075 4290,3045 4275,3020 4260,2975 4250,2950 4215,2950 4215,2995 4160,3398.33 4160,3550 4175,3610 4215,3670 4270,3690 4340,3985 4385,4195 4425,4375 4485,4625 4490,4640 4470,4655 4380,4670 4285,4685 4150,4690 3830,4670 3765,4660 3575,4615 3510,4395 3450,4155 3370,3845 3330,3680 3325,3630 3325,3620 3350,3615 3375,3595 3385,3580 3385,3505 3330,3365 3265,3205 3175,3000 3115,2865 3095,2810 3085,2795 3070,2790 3060,2790 3055,2800 3055,2830 3035,3060 3020,3195 3005,3375 3005,3475 3030,3535 3115,3590 3130,3620 3165,3775 3225,4035 3290,4325 3340,4540 3345,4570 3340,4575 3200,4575 3085,4560 2905,4525 2750,4475 2570,4390 2415,4290 2300,4205 2275,4180 2260,4135 2220,4000 2160,3745 2150,3695 2135,3630 2065,3345 2025,3180 2025,3165

## Silkscreen, mask and mechanical layers (free items; w line width, h text height)
Bottom Overlay:
  text "5V" at 4335,2859 h40 r90
  text "3.3V" at 4938,2769 h40 r270
  text "MCU_RX" at 3262,2621 h30
  text "MCU_TX" at 3443,2616 h30
  text "Buzzer" at 2463,2320 h30
Mechanical 2:
  lines w10: 4170,3440 4160,3480 4160,3550 4175,3610 4215,3670 4270,3690 4340,3985 4385,4195 4425,4375 4485,4625 4490,4640 4470,4655 4380,4670 4285,4685 4150,4690 3830,4670 3765,4660 3575,4615 3510,4395 3450,4155 3370,3845 3330,3680 3325,3630 3325,3620 3350,3615 3375,3595 3385,3580 3385,3505 3330,3365 3265,3205 3175,3000 3115,2865 3095,2810 3085,2795 3070,2790 3060,2790 3055,2800 3055,2830 3035,3060 3020,3195 3005,3375 3005,3475 3030,3535 3115,3590 3130,3620 3165,3775 3225,4035 3290,4325 3340,4540 3345,4570 3340,4575 3200,4575 3085,4560 2905,4525 2750,4475 2570,4390 2415,4290 2300,4205 2275,4180 2260,4135 2220,4000 2160,3745 2150,3695 2135,3630 2065,3345 2025,3180 2025,3165 2030,3160 2080,3155 2140,3150 2160,3140 2190,3080 2225,2870 2245,2670 2290,2395 2310,2220 2350,1995 2375,1790 2400,1600 2410,1585 2425,1580 2440,1585 2550,1680 2645,1740 2745,1795 2870,1865 3060,1940 3205,1975 3275,1985 3375,2010 3430,2130 3480,2215 3545,2350 3575,2415 3610,2495 3620,2520 3640,2520 3640,2465 3655,2370 3675,2205 3685,2090 3695,2035 3710,2025 3870,2020 3985,2000 4195,1950 4275,1920 4385,1880 4500,1840 4560,1820 4590,1810 4675,1980 4760,2155 4925,2490 5285,3215 5425,3520 5465,3570 5505,3595 5585,3600 5805,4480 5805,4490 5785,4500 5460,4615 5230,4665 5020,4685 4875,4685 4725,4655 4715,4645 4630,4365 4500,3845 4475,3700 4480,3690 4490,3685 4510,3680 4520,3670 4540,3645 4540,3620 4535,3575 4460,3405 4385,3240 4315,3105 4305,3075 4290,3045 4275,3020 4260,2975 4250,2950 4215,2950 4215,2995 4185,3215 ; 4182,3512.46 4197,3287.46